# Altium PCB PCB_ALMA_TESLA.PcbDoc (part 1 of 3) (continued)
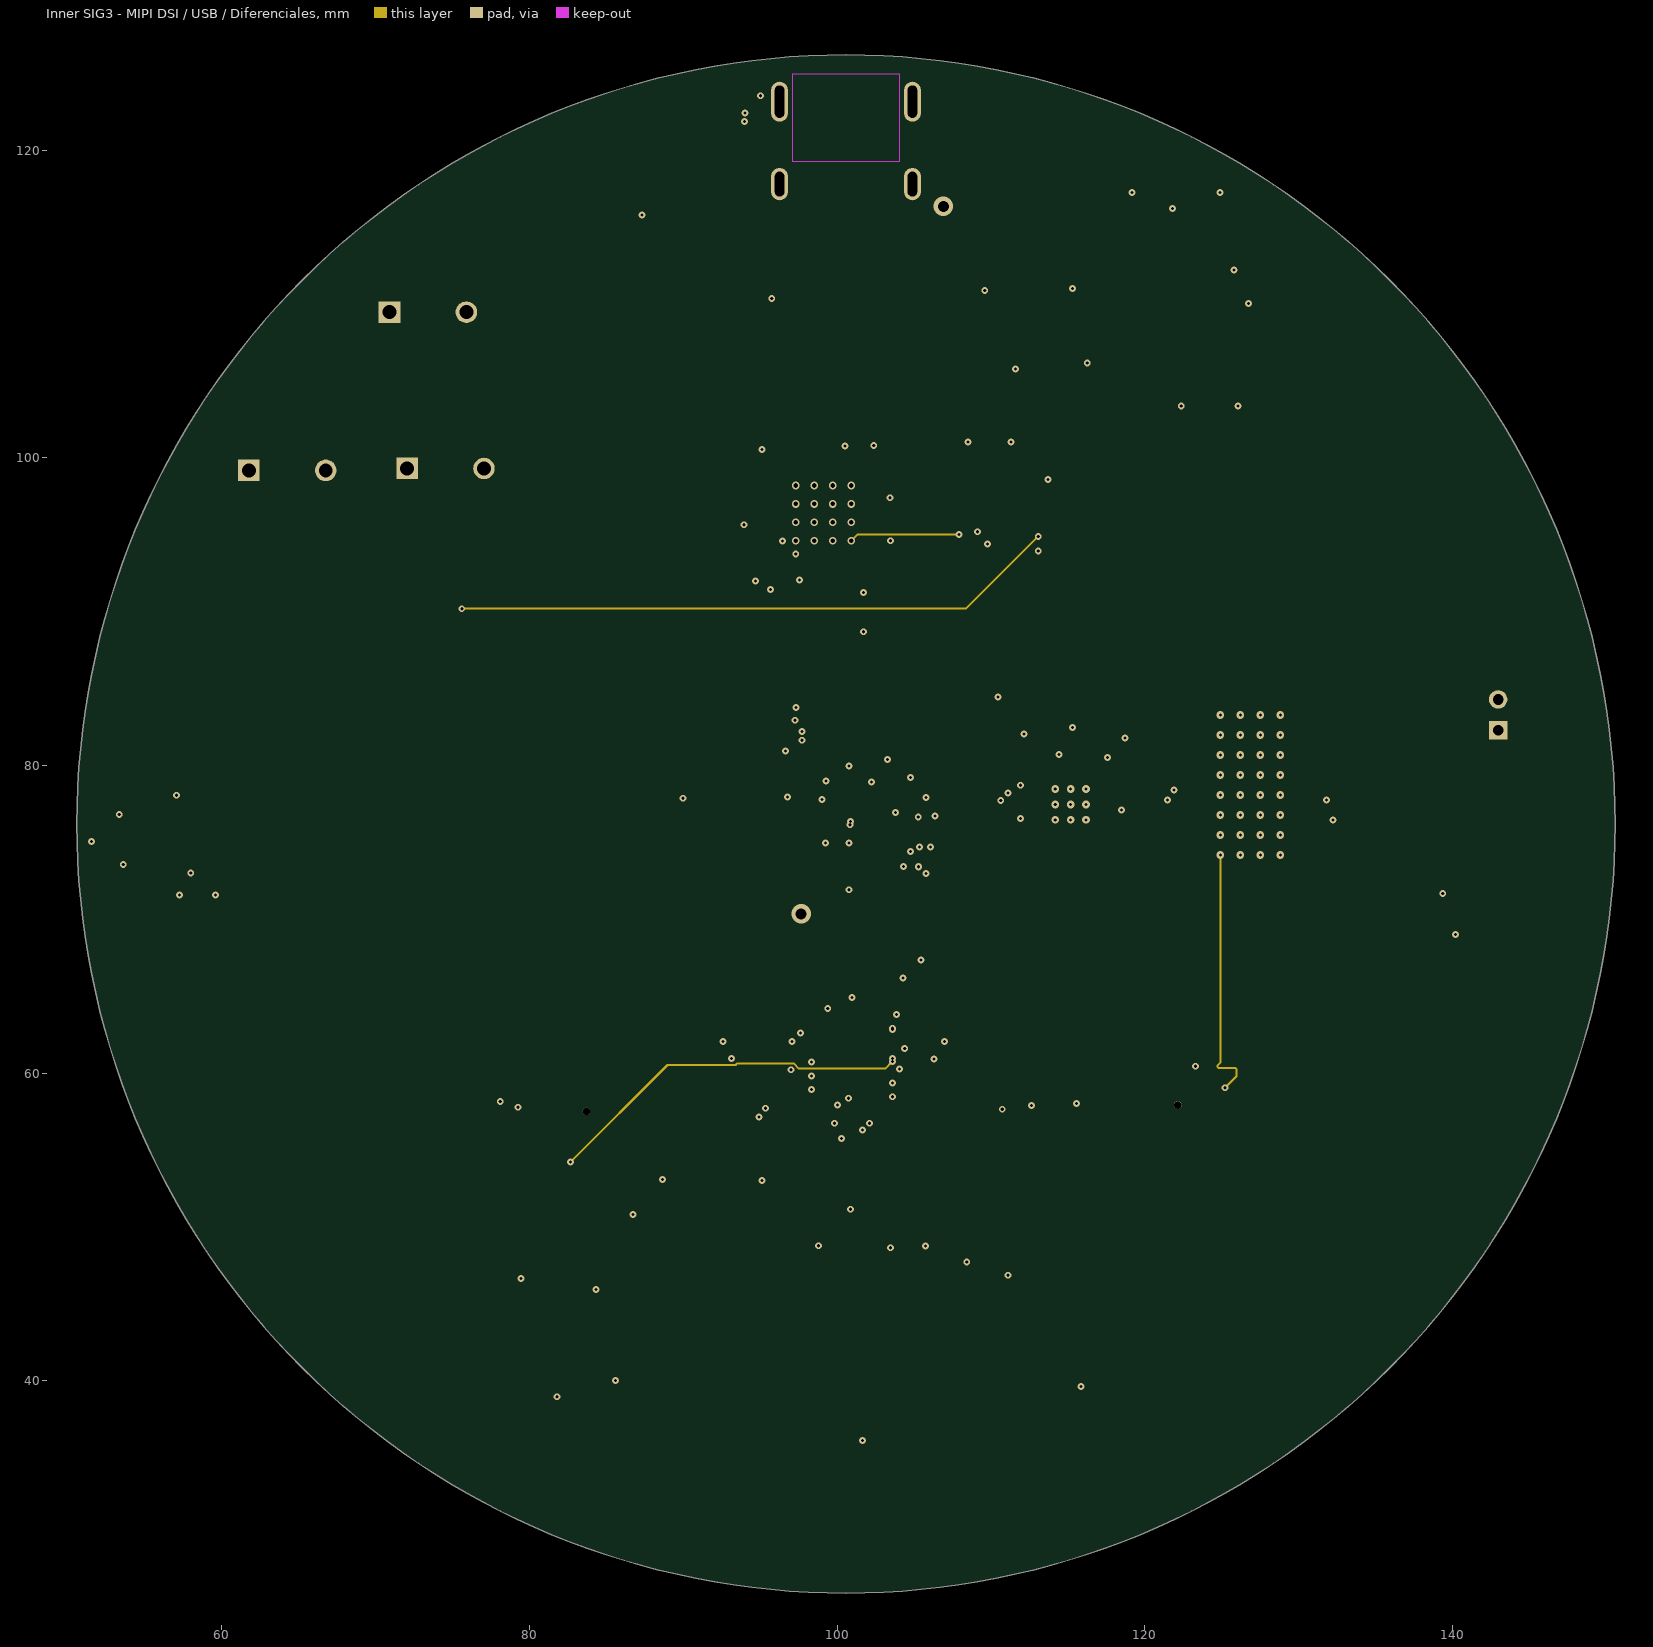
[diagram p6: Inner SIG3 - MIPI DSI / USB / Diferenciales]
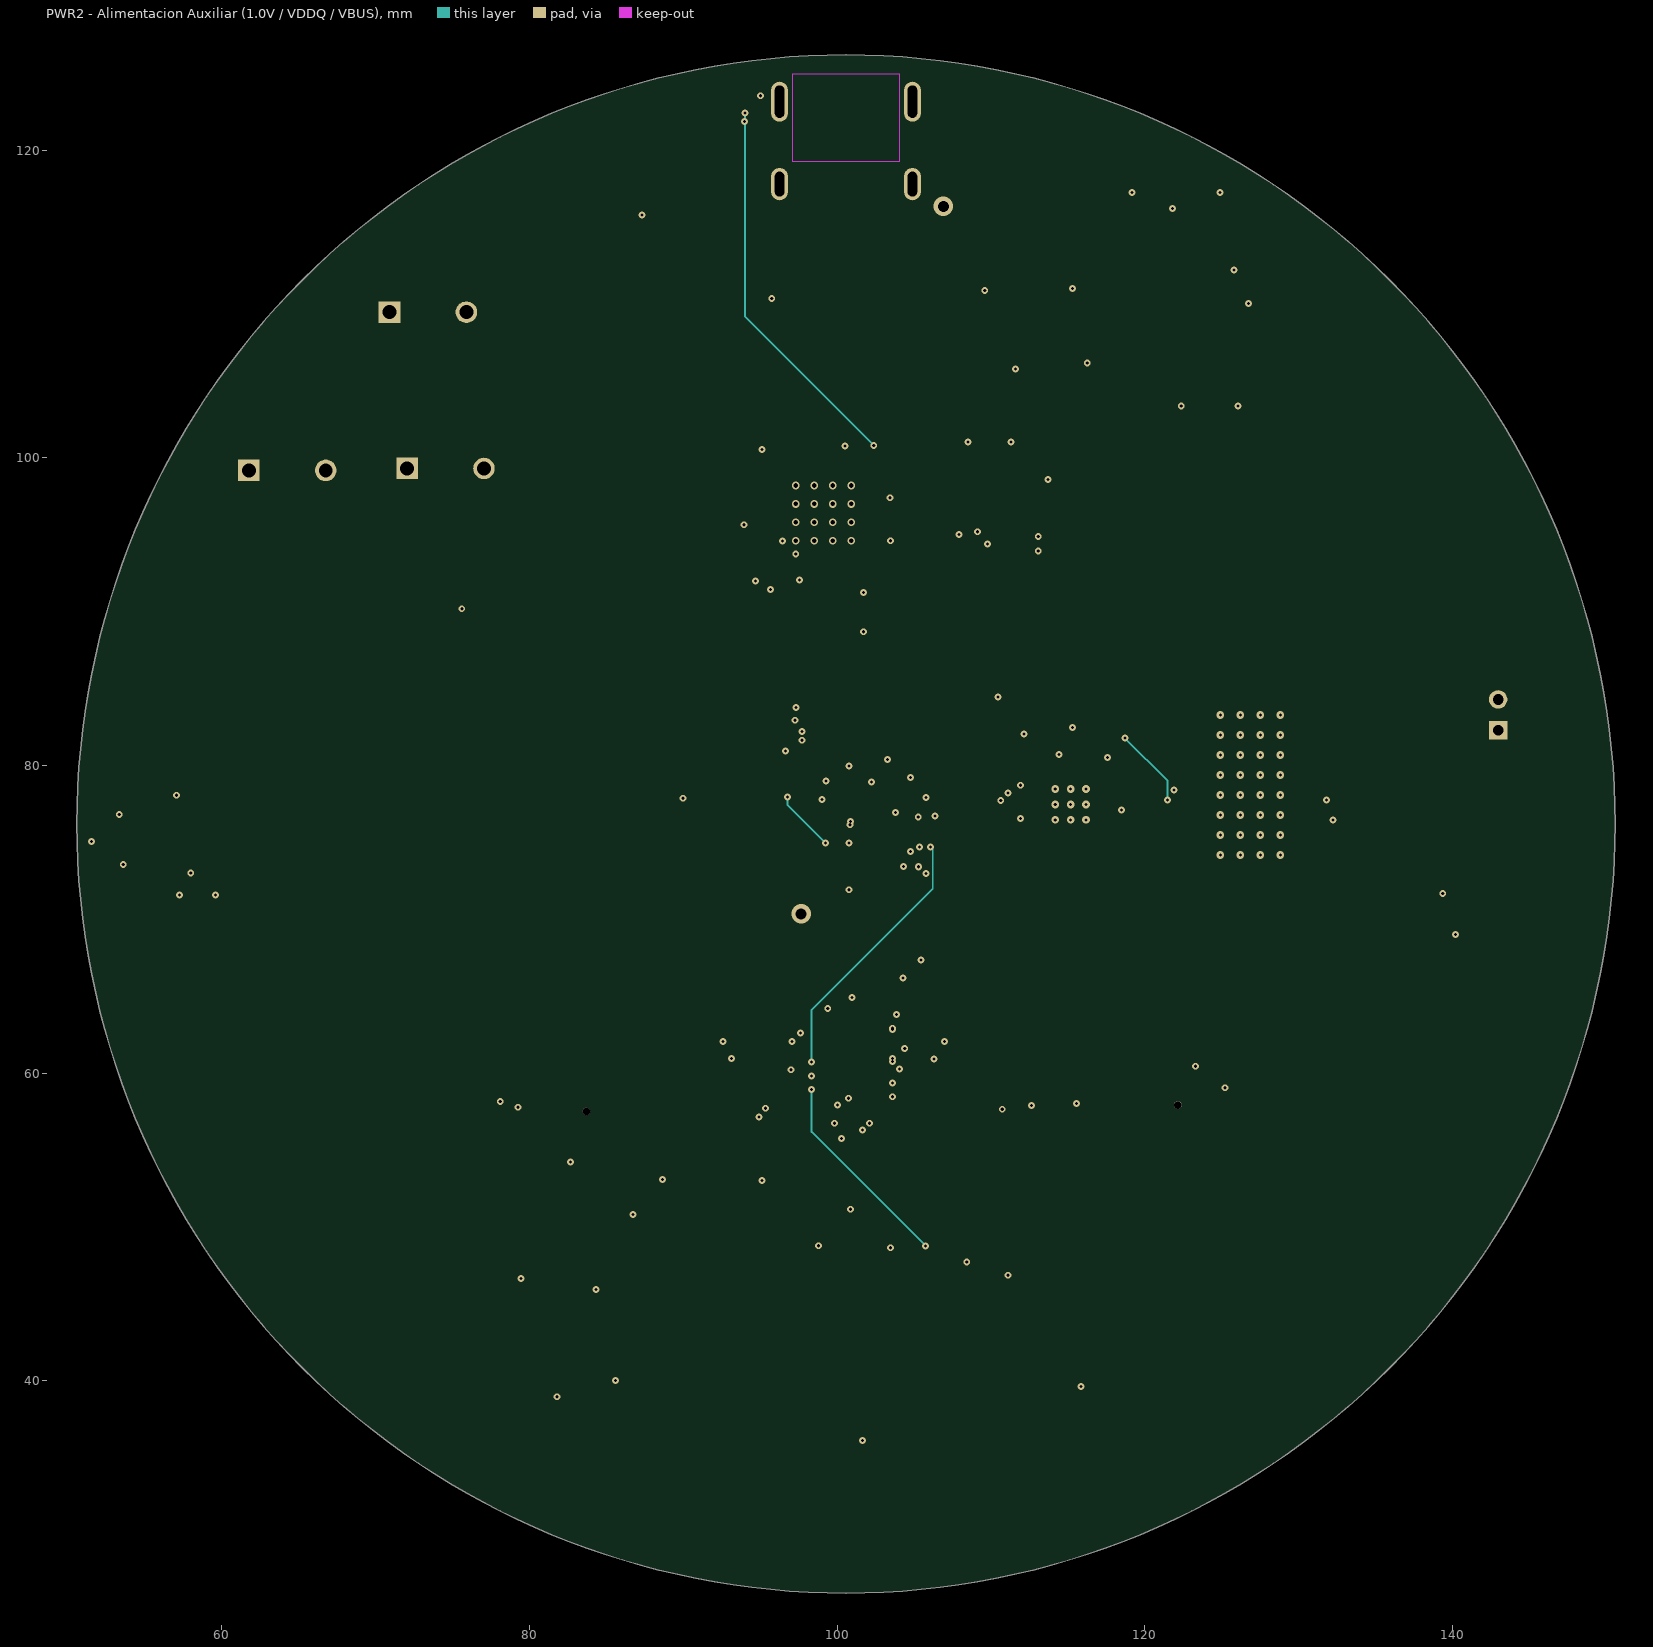
[diagram p7: PWR2 - Alimentacion Auxiliar (1.0V / VDDQ / VBUS)]
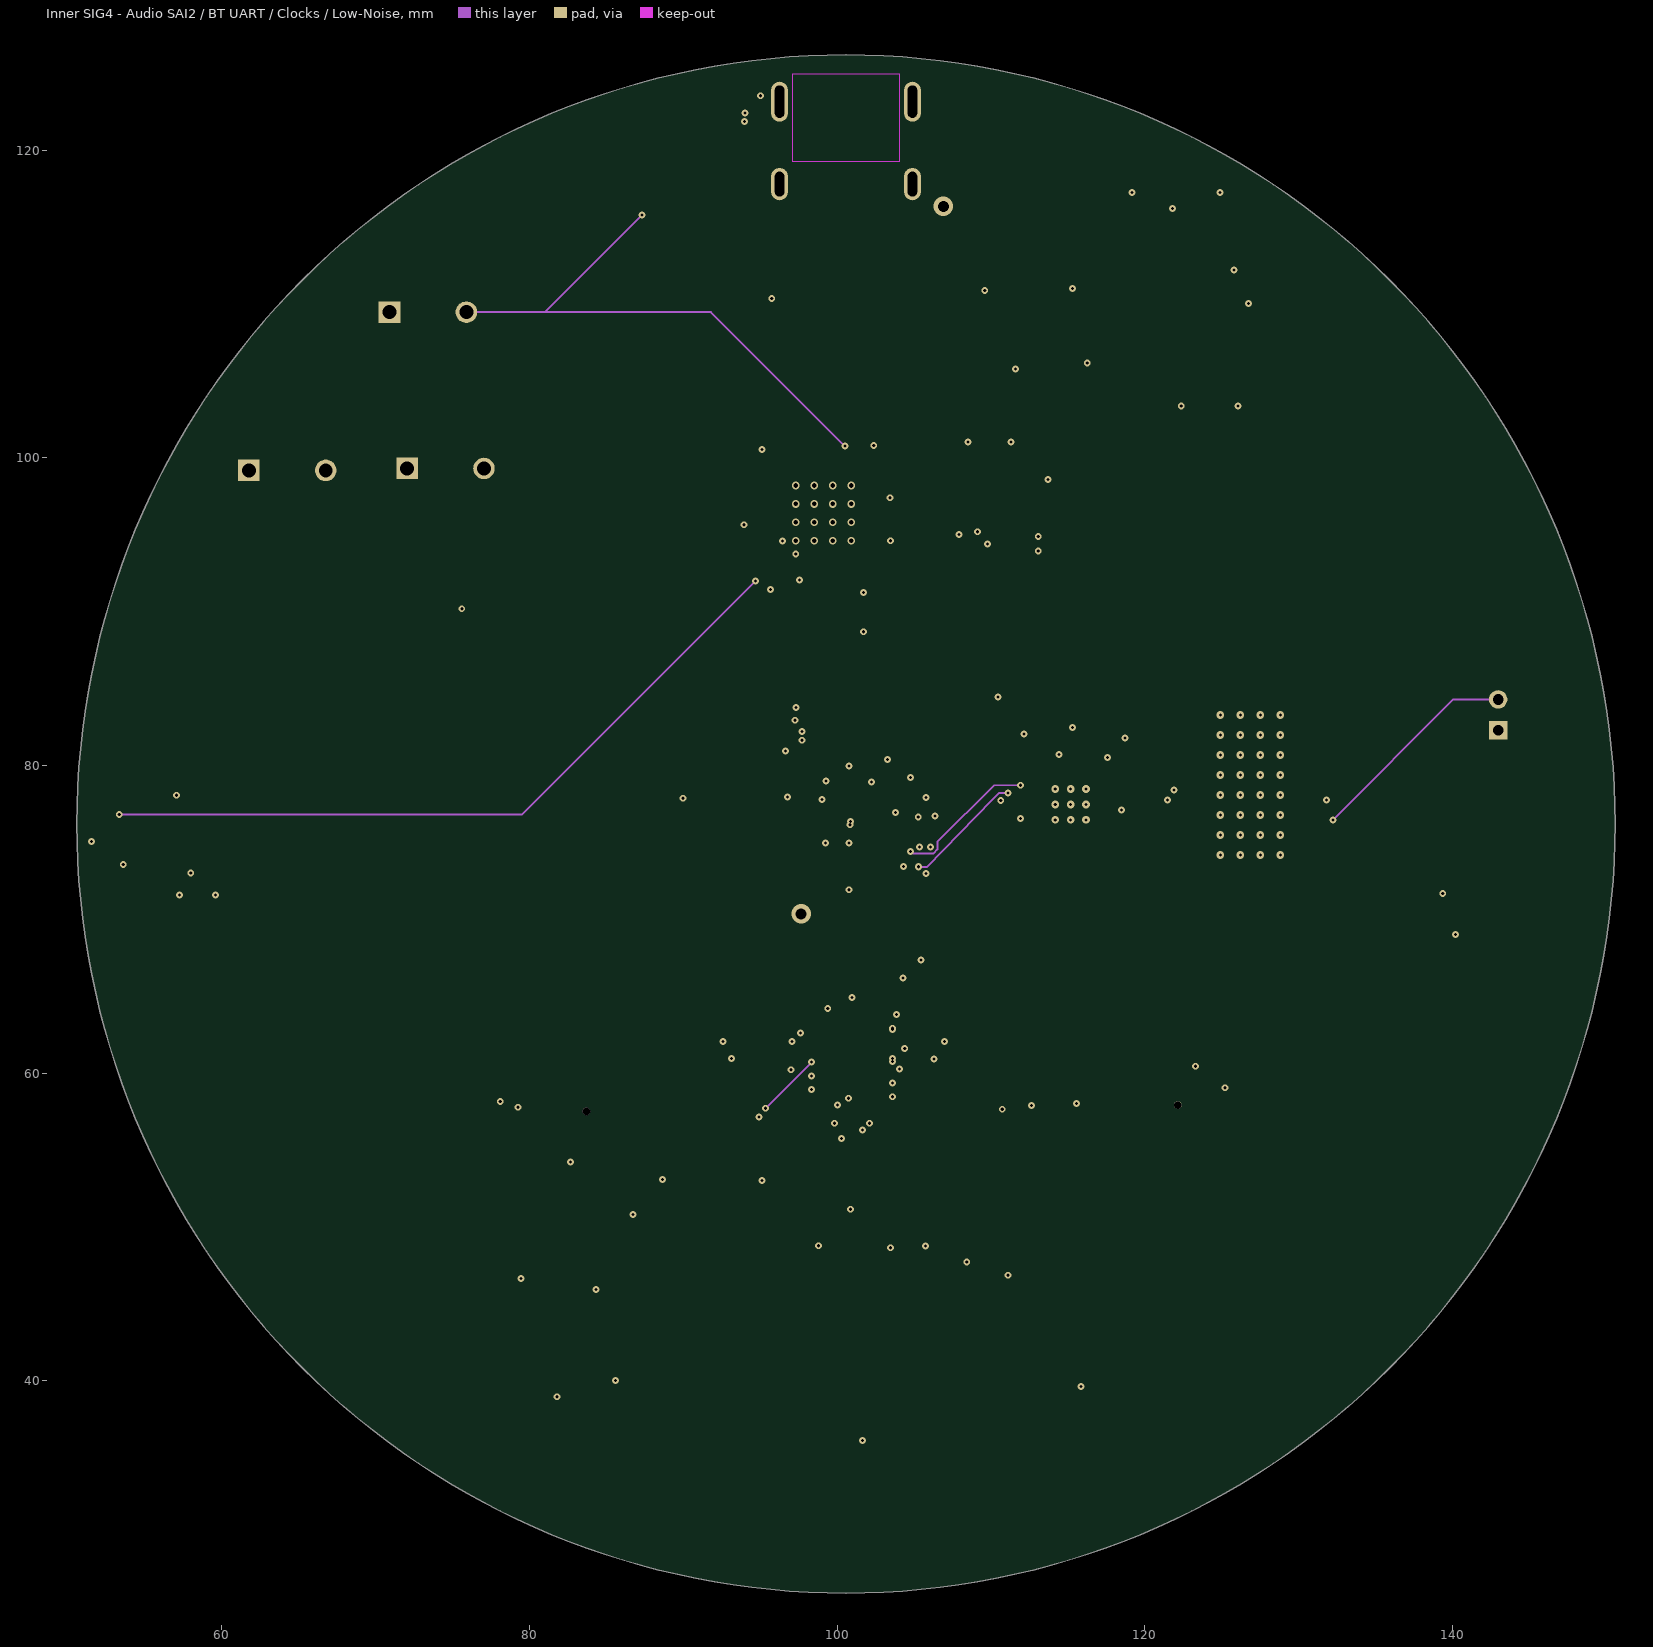
[diagram p8: Inner SIG4 - Audio SAI2 / BT UART / Clocks / Low-Noise]
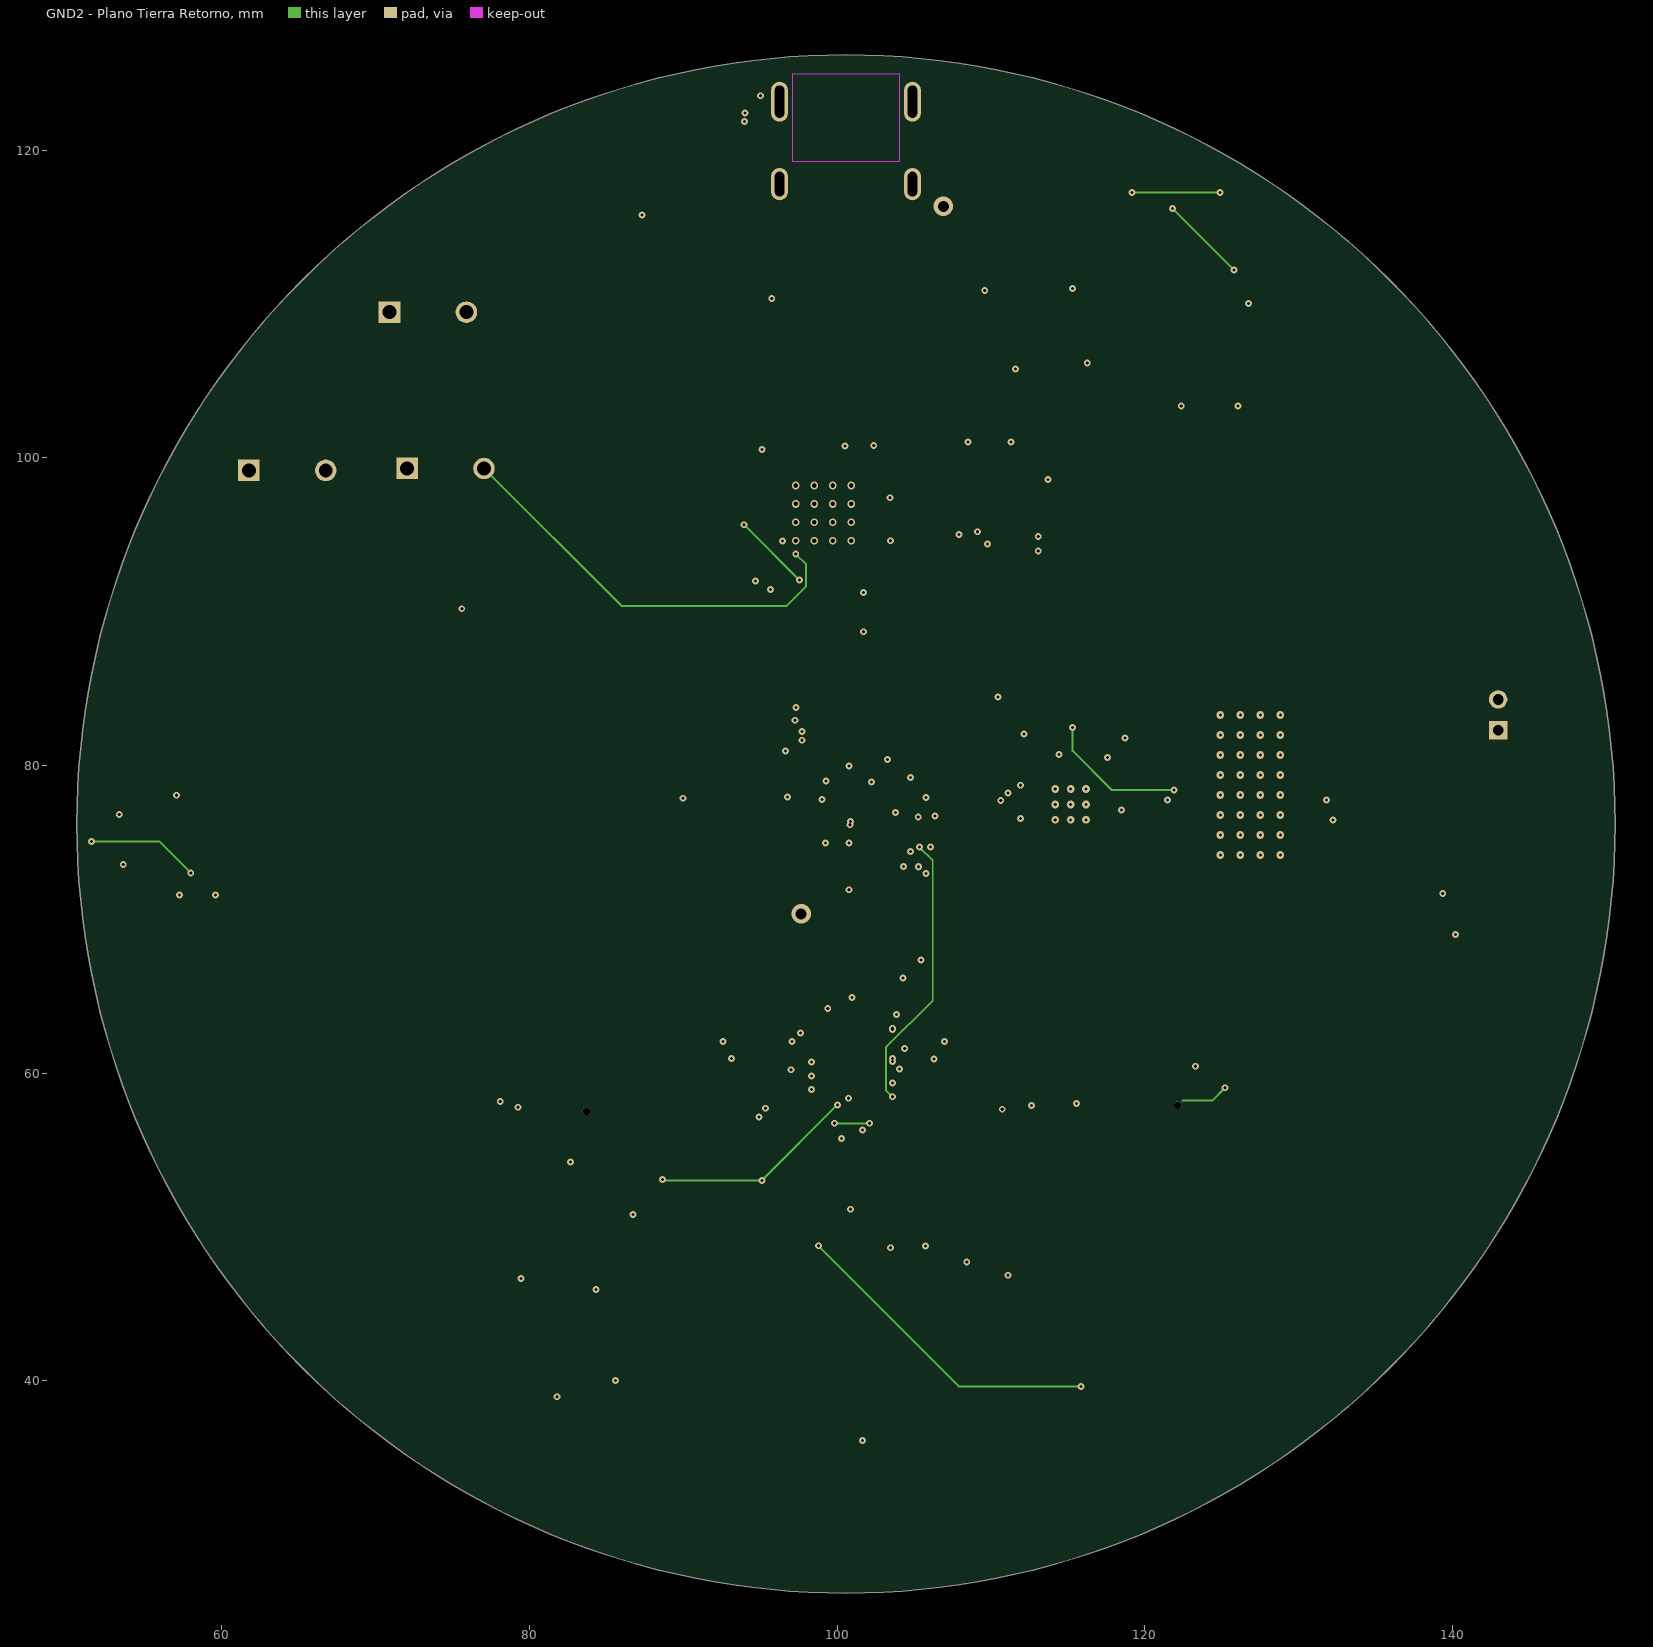
[diagram p9: GND2 - Plano Tierra Retorno]
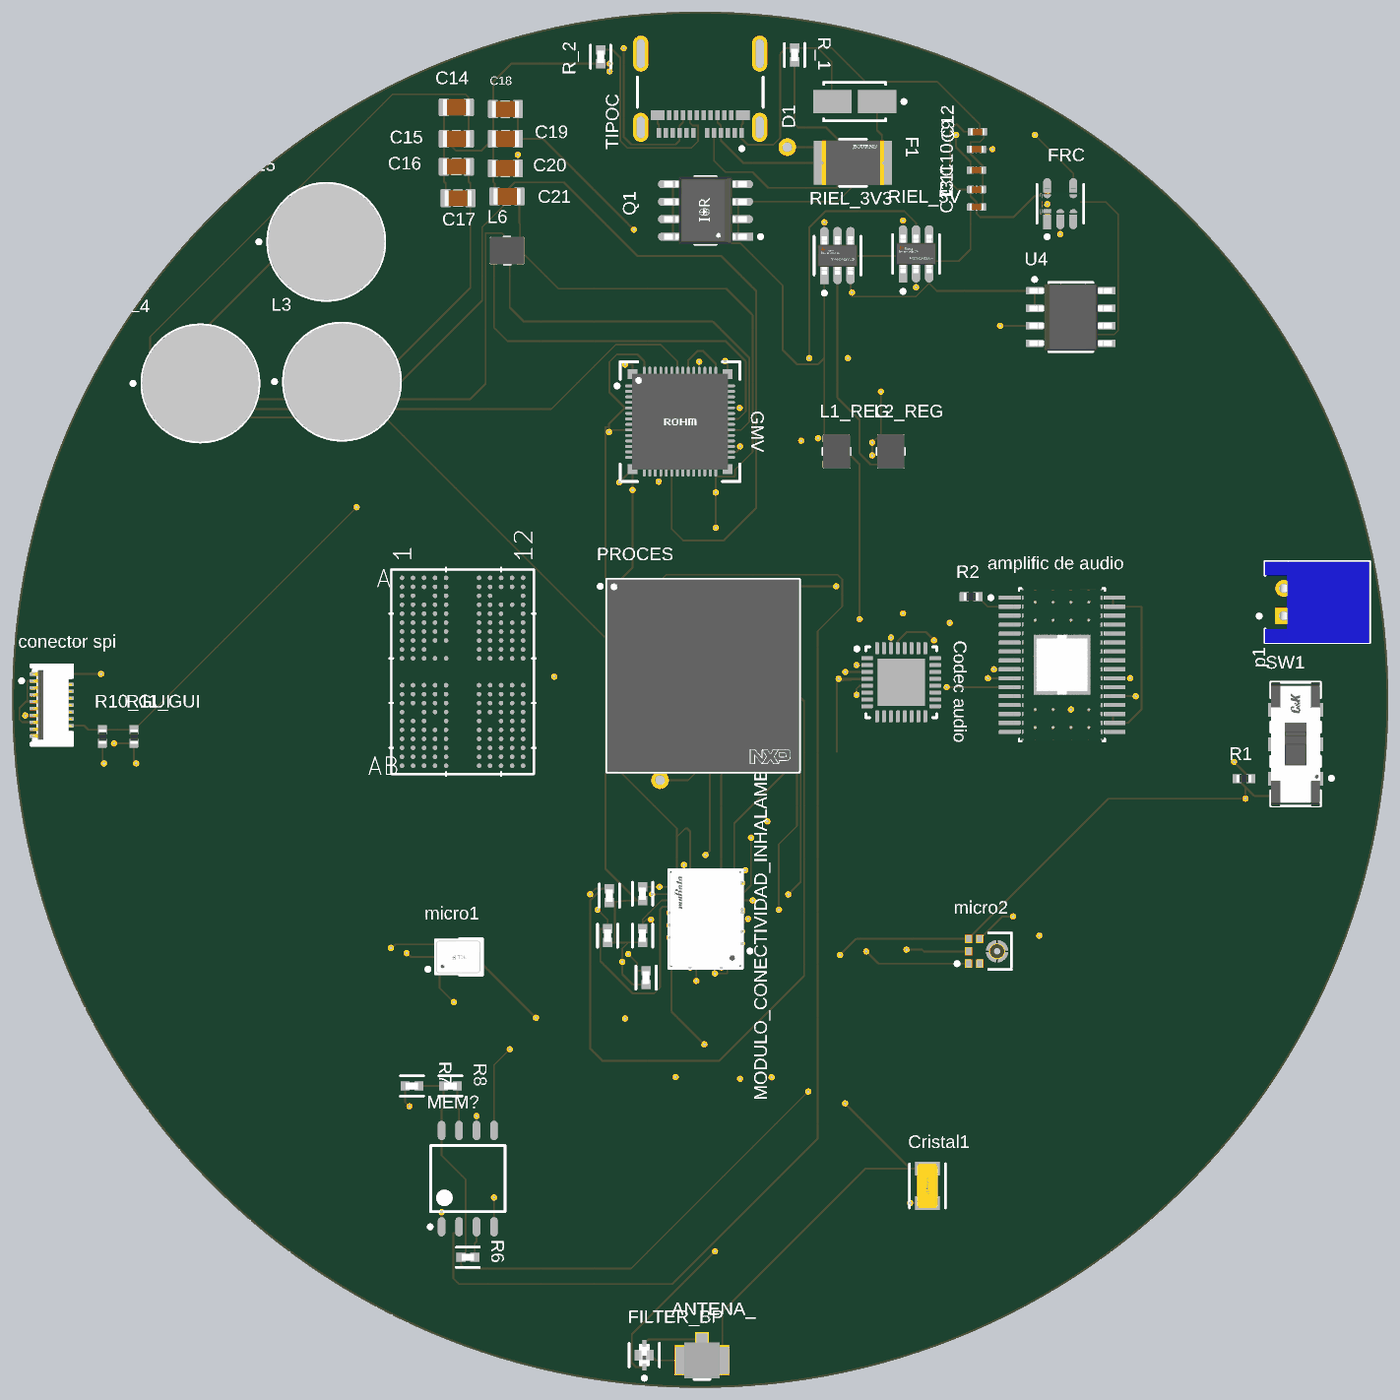
[diagram p12: 3D render of the assembled board from above, using the file's embedded part models]
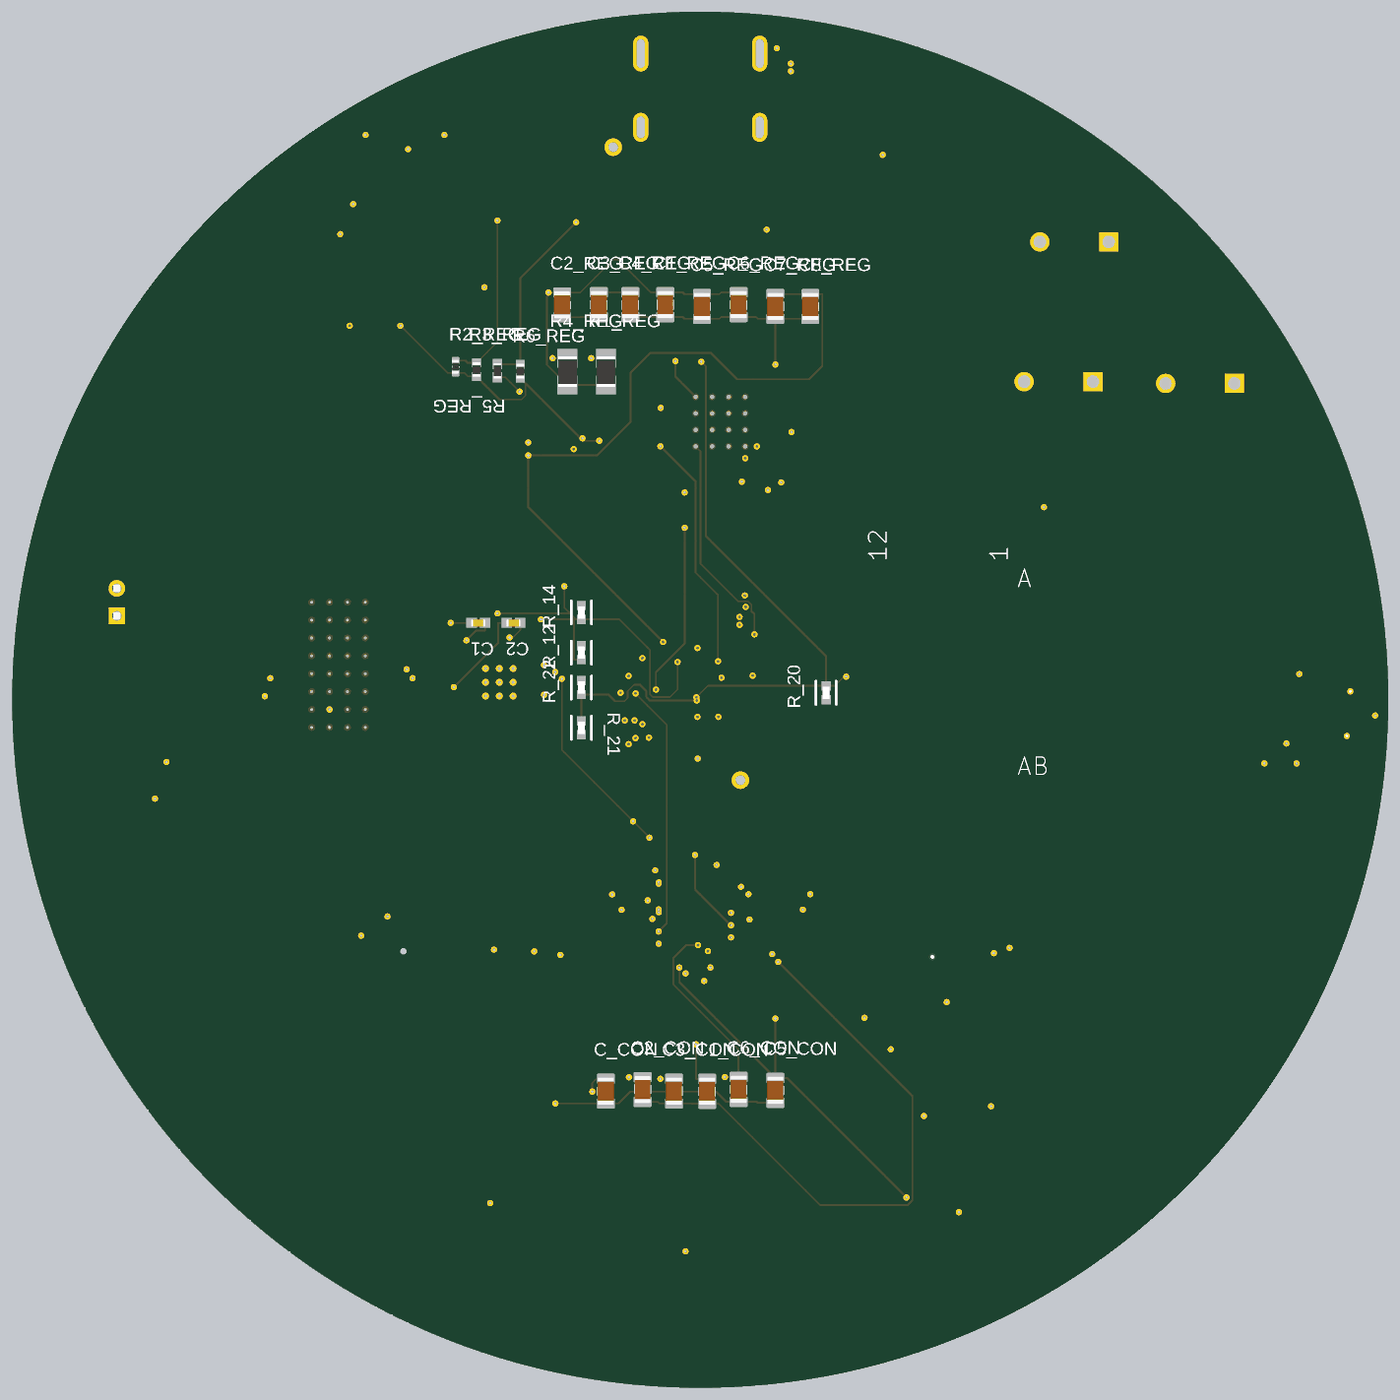
[diagram p13: 3D render of the assembled board from below, using the file's embedded part models]

## Layer stack, top to bottom
Top Solder: solder mask 0.01, Solder Resist, Dk 3.8
Top Layer - Signal General / Componentes SoC: signal copper 0.036
Dielectric 1: prepreg 0.1165, JLC-PP-2116, Dk 4.16
GND1 - Plano Tierra Principal: signal copper 0.015
Dielectric 2: prepreg 0.0764, JLC-PP-1080, Dk 3.91
Dielectric 3: prepreg 0.0764, JLC-PP-1080, Dk 3.91
Inner SIG1 - Control / I2C / UART / GPIO / SAI2: signal copper 0.015
Core 1: core 0.2, JLC-Core-FR4, Dk 4.6
PWR1 - Alimentacion Principal (3.3V / 1.8V / VDD_ARM): signal copper 0.015
Dielectric 4: prepreg 0.1165, JLC-PP-2116, Dk 4.16
Inner SIG2 - LPDDR4 / eMMC (Bus Critico): signal copper 0.015
Core 2: core 0.2, JLC-Core-FR4, Dk 4.6
Inner SIG3 - MIPI DSI / USB / Diferenciales: signal copper 0.015
Dielectric 5: prepreg 0.1165, JLC-PP-2116, Dk 4.16
PWR2 - Alimentacion Auxiliar (1.0V / VDDQ / VBUS): signal copper 0.015
Core 3: core 0.2, JLC-Core-FR4, Dk 4.6
Inner SIG4 - Audio SAI2 / BT UART / Clocks / Low-Noise: signal copper 0.015
Dielectric 6: prepreg 0.0764, JLC-PP-1080, Dk 3.91
Dielectric 7: prepreg 0.0764, JLC-PP-1080, Dk 3.91
GND2 - Plano Tierra Retorno: signal copper 0.015
Dielectric 8: prepreg 0.1165, JLC-PP-2116, Dk 4.16
Bottom Layer - Signal Perifericos / GPIO / Conectores: signal copper 0.036
Bottom Solder: solder mask 0.01, Solder Resist, Dk 3.8

## Board outline
50.584,76.2 ccw(c100.584,76.2) 100.584,26.2 ccw(c100.584,76.2) 150.584,76.2 ccw(c100.584,76.2) 100.584,126.2 ccw(c100.584,76.2)

## Design rules (kind name [scope] priority, off if disabled: settings)
AssemblyTestPointUsage [All] p1: isadvanced=TRUE
AssemblyTestpoint [All] p1: isadvanced=TRUE testpointundercomponent=TRUE minsize=1.016 maxsize=2.54 preferedsize=1.524 minholesize=0 maxholesize=1.016 preferedholesize=0.813 testpointgrid=0.025 usegrid=TRUE gridtolerance=0 allowsidetop=TRUE allowsidebottom=TRUE
Clearance MIC_CLEARANCE [InComponent('micro1') OR InComponent('micro2')] p1: isadvanced=TRUE gap=0.1 ignorepadtopadclearanceinfootprint=FALSE
Clearance Clearance_4 [InNetClass('DDRAM')] p2: isadvanced=TRUE gap=0.127 ignorepadtopadclearanceinfootprint=FALSE
Clearance Clearance_3 [InNetClass('PROCES')] p3: isadvanced=TRUE gap=0.127 ignorepadtopadclearanceinfootprint=FALSE
Clearance Clearance_1 [(ExistsOnLayer('GND1 - Plano Tierra Principal') Or ExistsOnLayer('Inner SIG1 - Control / I2C / UART / GPIO / SAI2') Or ExistsOnLayer('PWR1 - Alimentacion Principal (3.3V / 1.8V / VDD_ARM)') Or ExistsOnLayer('Inner SIG2 - LPDDR4 / eMMC (Bus Critico)') Or ExistsOnLayer('Inner SIG3 - MIPI DSI / USB / Diferenciales') Or ExistsOnLayer('PWR2 - Alimentacion Auxiliar (1.0V / VDDQ / VBUS)') Or ExistsOnLayer('Inner SIG4 - Audio SAI2 / BT UART / Clocks / Low-Noise') Or ExistsOnLayer('GND2 - Plano Tierra Retorno')) vs (ExistsOnLayer('GND1 - Plano Tierra Principal') Or ExistsOnLayer('Inner SIG1 - Control / I2C / UART / GPIO / SAI2') Or ExistsOnLayer('PWR1 - Alimentacion Principal (3.3V / 1.8V / VDD_ARM)') Or ExistsOnLayer('Inner SIG2 - LPDDR4 / eMMC (Bus Critico)') Or ExistsOnLayer('Inner SIG3 - MIPI DSI / USB / Diferenciales') Or ExistsOnLayer('PWR2 - Alimentacion Auxiliar (1.0V / VDDQ / VBUS)') Or ExistsOnLayer('Inner SIG4 - Audio SAI2 / BT UART / Clocks / Low-Noise') Or ExistsOnLayer('GND2 - Plano Tierra Retorno'))] p4: gap=0.127 ignorepadtopadclearanceinfootprint=FALSE sourcerule=59 cellrowname=All cellrowtype=0 cellcolname=All cellcoltype=0 innerlayers=TRUE
Clearance Clearance_2 [(ExistsOnLayer('Top Layer - Signal General / Componentes SoC') Or ExistsOnLayer('Bottom Layer - Signal Perifericos / GPIO / Conectores')) vs (ExistsOnLayer('Top Layer - Signal General / Componentes SoC') Or ExistsOnLayer('Bottom Layer - Signal Perifericos / GPIO / Conectores'))] p5: gap=0.127 ignorepadtopadclearanceinfootprint=FALSE sourcerule=59 cellrowname=All cellrowtype=0 cellcolname=All cellcoltype=0 outerlayers=TRUE
Clearance [All] p6: gap=0.254 ignorepadtopadclearanceinfootprint=FALSE ismatrix=TRUE
ComponentClearance [All] p1: isadvanced=TRUE gap=0.2 collisioncheckmode=3 verticalgap=0.2 showdistances=FALSE
DiffPairsRouting DifferentialPairsRouting_1 [InDifferentialPairClass('All Differential Pairs')] p1: maxlimit=0.2 minlimit=0.2 mostfreqgap=0.2 toplayer_minwidth=0.2 toplayer_maxwidth=0.2 toplayer_prefwidth=0.2 midlayer1_minwidth=0.2 midlayer1_maxwidth=0.2 midlayer1_prefwidth=0.2 midlayer2_minwidth=0.2 midlayer2_maxwidth=0.2 midlayer2_prefwidth=0.2 midlayer3_minwidth=0.2 midlayer3_maxwidth=0.2 midlayer3_prefwidth=0.2 midlayer4_minwidth=0.2 midlayer4_maxwidth=0.2 midlayer4_prefwidth=0.2 midlayer5_minwidth=0.2 midlayer5_maxwidth=0.2 midlayer5_prefwidth=0.2 midlayer6_minwidth=0.2 midlayer6_maxwidth=0.2 midlayer6_prefwidth=0.2 midlayer7_minwidth=0.2 midlayer7_maxwidth=0.2 midlayer7_prefwidth=0.2 midlayer8_minwidth=0.2 midlayer8_maxwidth=0.2 midlayer8_prefwidth=0.2 bottomlayer_minwidth=0.2 bottomlayer_maxwidth=0.2 bottomlayer_prefwidth=0.2 maxuncoupledlength=12.7